# Altium PCB ECSE478 - DAQ Device.PcbDoc (part 1 of 4) (continued)
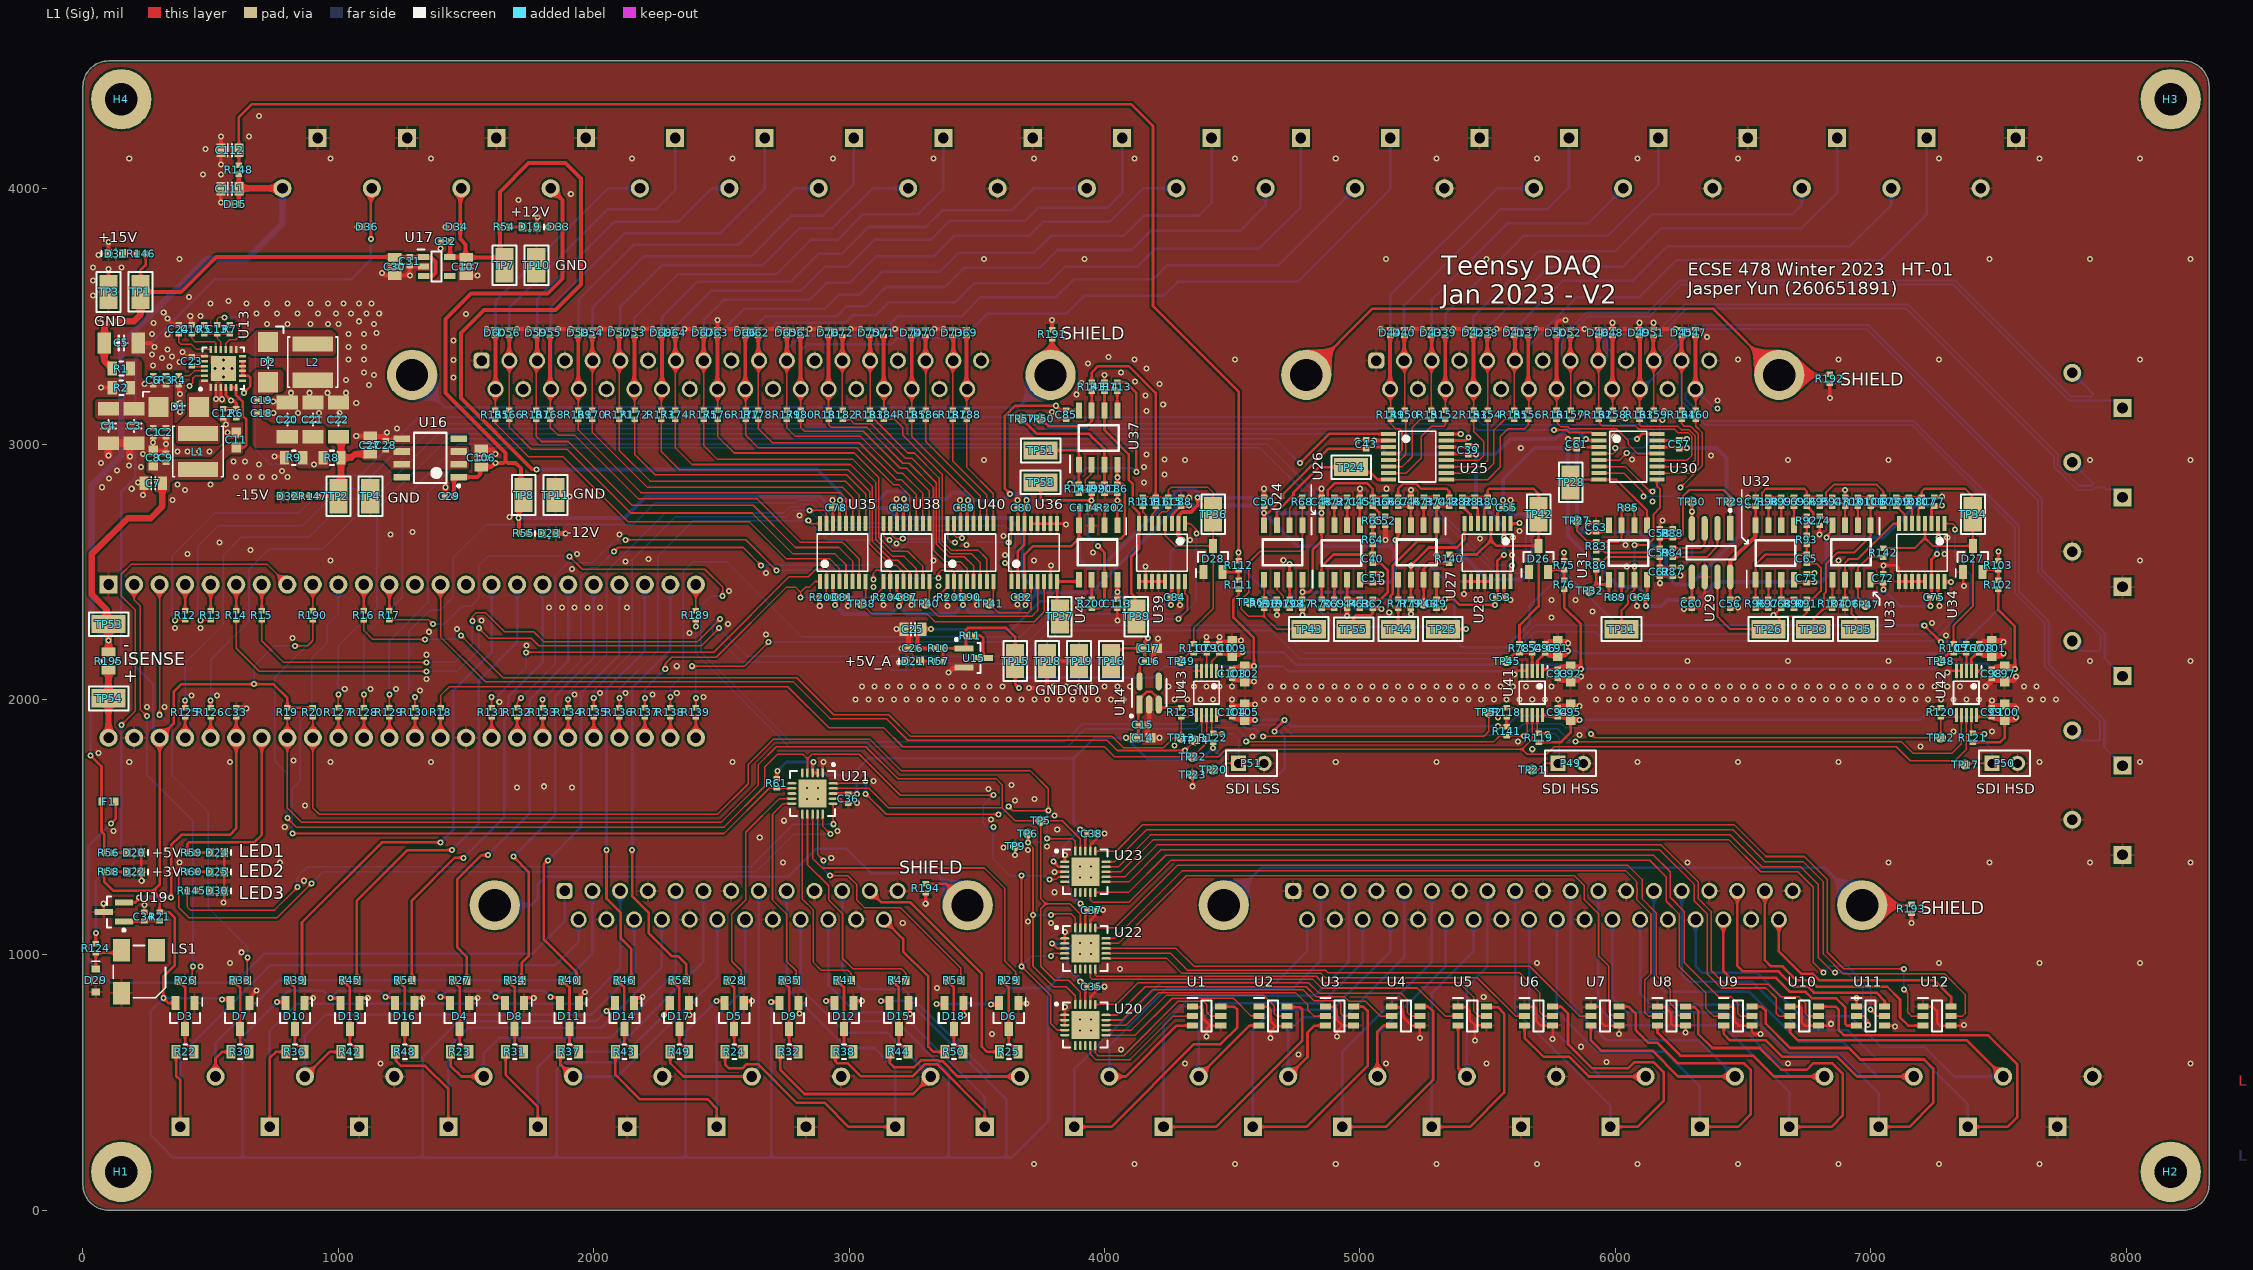
[diagram p0: L1 (Sig) view]
## Components (designator, comment, footprint, x,y, rotation, side; value= is the part's Value field where it differs from the comment)
C1 "100nF" "0402 CAP" 275,3045.87 r90 top value=0402
C2 "100nF" "0402 CAP" 325,3045.87 r90 top value=0402
C3 "22uF" "1206 CAP" 200,3070.87 r90 top value=1206
C4 "22uF" "1206 CAP" 100,3070.87 r90 top value=1206
C5 "22uF" "1206 CAP" 150,3395.87 r180 top value=1206
C6 "13pF" "0402 CAP" 275,3250 r90 top value=0402
C7 "47uF" "0805 CAP" 275,2845.87 r0 top value=0805
C8 "10uF" "0603 CAP SAMSUNG CL10C" 275,2945.87 r270 top value=0603
C9 "100nF" "0402 CAP" 325,2945.87 r270 top value=0402
C10 "220nF" "0402 CAP" 425,3450 r90 top value=0402
C11 "10uF" "0603 CAP SAMSUNG CL10C" 600,3016.34 r270 top value=0603
C12 "100nF" "0402 CAP" 550,3120.87 r90 top value=0402
C13 "13pF" "0402 CAP" 525,3450 r270 top value=0402
C14 "10uF" "0603 CAP SAMSUNG CL10C" 4150,1850 r180 top value=0603
C15 "100nF" "0402 CAP" 4150,1900 r180 top value=0402
C16 "100nF" "0402 CAP" 4175,2150 r180 top value=0402
C17 "10uF" "0603 CAP SAMSUNG CL10C" 4175,2200 r180 top value=0603
C18 "100nF" "0402 CAP" 700,3120.87 r180 top value=0402
C19 "100nF" "0402 CAP" 700,3170.87 r180 top value=0402
C20 "22uF" "1206 CAP" 800,3095.87 r270 top value=1206
C21 "22uF" "1206 CAP" 900,3095.87 r270 top value=1206
C22 "22uF" "1206 CAP" 1000,3095.87 r270 top value=1206
C23 "10nF" "0402 CAP" 425,3325 r270 top value=0402
C24 "4.7nF" "0402 CAP" 375,3450 r270 top value=0402
C25 "10uF" "0805 CAP" 3250,2275 r0 top value=0805
C26 "100nF" "0402 CAP" 3250,2200 r0 top value=0402
C27 "10uF" "0805 CAP" 1125,2995.87 r270 top value=0805
C28 "100nF" "0402 CAP" 1185,2995.87 r270 top value=0402
C29 "100nF" "0402 CAP" 1435,2795.87 r0 top value=0402
C30 "10uF" "0805 CAP" 1220,3695 r90 top value=0805
C31 "100nF" "0402 CAP" 1280,3715 r90 top value=0402
C32 "100nF" "0402 CAP" 1420,3795 r0 top value=0402
C33 "100nF" "0402 CAP" 600,1950 r270 top value=0402
C34 "100nF" "0402 CAP" 240,1150 r270 top value=0402
C35 "100nF" "0402 CAP" 3950,875 r180 top value=0402
C36 "100nF" "0402 CAP" 2996.65,1611.65 r90 top value=0402
C37 "100nF" "0402 CAP" 3950,1175 r180 top value=0402
C38 "100nF" "0402 CAP" 3950,1475 r180 top value=0402
C39 "100nF" "0402 CAP" 5425,2975 r270 top value=0402
C40 "1nF" "0402 CAP" 5050,2550 r270 top value=0402
C41 "1nF" "0402 CAP" 5050,2775 r270 top value=0402
C42 "1nF" "0402 CAP" 5350,2775 r90 top value=0402
C43 "100nF" "0402 CAP" 5025,3000 r270 top value=0402
C44 "100pF" "0402 CAP" 4950,2375 r90 top value=0402
C45 "100pF" "0402 CAP" 5000,2775 r270 top value=0402
C46 "100pF" "0402 CAP" 5200,2775 r270 top value=0402
C47 "100nF" "0402 CAP" 4775,2375 r90 top value=0402
C48 "100nF" "0402 CAP" 4850,2775 r270 top value=0402
C49 "100nF" "0402 CAP" 5300,2375 r90 top value=0402
C50 "100nF" "0402 CAP" 4625,2775 r90 top value=0402
C51 "100nF" "0402 CAP" 5050,2475 r90 top value=0402
C52 "100nF" "0402 CAP" 5100,2700 r270 top value=0402
C53 "100nF" "0402 CAP" 5550,2400 r180 top value=0402
C54 "100nF" "0402 CAP" 5675,2200 r270 top value=0402
C55 "100nF" "0402 CAP" 5575,2750 r180 top value=0402
C56 "100nF" "0402 CAP" 6450,2375 r90 top value=0402
C57 "100nF" "0402 CAP" 6250,3000 r270 top value=0402
C58 "100pF" "0402 CAP" 6175,2650 r90 top value=0402
C59 "1nF" "0402 CAP" 6175,2575 r90 top value=0402
C60 "100nF" "0402 CAP" 6300,2375 r90 top value=0402
C61 "100nF" "0402 CAP" 5850,3000 r270 top value=0402
C62 "100pF" "0402 CAP" 6175,2500 r90 top value=0402
C63 "100nF" "0402 CAP" 5925,2675 r270 top value=0402
C64 "100nF" "0402 CAP" 6100,2400 r180 top value=0402
C65 "1nF" "0402 CAP" 6750,2550 r270 top value=0402
C66 "1nF" "0402 CAP" 6750,2775 r270 top value=0402
C67 "1nF" "0402 CAP" 7050,2775 r90 top value=0402
C68 "100pF" "0402 CAP" 6650,2375 r90 top value=0402
C69 "100pF" "0402 CAP" 6700,2775 r270 top value=0402
C70 "100pF" "0402 CAP" 6900,2775 r270 top value=0402
C71 "100nF" "0402 CAP" 6550,2775 r270 top value=0402
C72 "100nF" "0402 CAP" 7050,2475 r270 top value=0402
C73 "100nF" "0402 CAP" 6750,2475 r90 top value=0402
C74 "100nF" "0402 CAP" 6800,2700 r270 top value=0402
C75 "100nF" "0402 CAP" 7250,2400 r180 top value=0402
C76 "100nF" "0402 CAP" 7375,2200 r270 top value=0402
C77 "100nF" "0402 CAP" 7250,2775 r270 top value=0402
C78 "100nF" "0402 CAP" 2950,2750 r0 top value=0402
C79 "100nF" "0402 CAP" 4400,2200 r270 top value=0402
C80 "100nF" "0402 CAP" 3675,2750 r0 top value=0402
C81 "100nF" "0402 CAP" 2975,2400 r180 top value=0402
C82 "100nF" "0402 CAP" 3675,2400 r0 top value=0402
C83 "100nF" "0402 CAP" 3200,2750 r0 top value=0402
C84 "100nF" "0402 CAP" 4275,2400 r180 top value=0402
C85 "100nF" "0402 CAP" 3850,3115 r90 top value=0402
C86 "100nF" "0402 CAP" 4050,2825 r270 top value=0402
C87 "100nF" "0402 CAP" 3225,2400 r180 top value=0402
C88 "100nF" "0402 CAP" 4300,2775 r270 top value=0402
C89 "100nF" "0402 CAP" 3450,2750 r0 top value=0402
C90 "100nF" "0402 CAP" 3475,2400 r180 top value=0402
C91 "10uF" "0603 CAP SAMSUNG CL10C" 5775,2200 r270 top value=0603
C92 "10uF" "0603 CAP SAMSUNG CL10C" 5825,2100 r90 top value=0603
C93 "100nF" "0402 CAP" 5775,2100 r90 top value=0402
C94 "100nF" "0402 CAP" 5775,1950 r270 top value=0402
C95 "10uF" "0603 CAP SAMSUNG CL10C" 5825,1950 r270 top value=0603
C96 "100nF" "0402 CAP" 5725,2200 r270 top value=0402
C97 "10uF" "0603 CAP SAMSUNG CL10C" 7525,2100 r90 top value=0603
C98 "100nF" "0402 CAP" 7475,2100 r90 top value=0402
C99 "100nF" "0402 CAP" 7475,1950 r270 top value=0402
C100 "10uF" "0603 CAP SAMSUNG CL10C" 7525,1950 r270 top value=0603
C101 "10uF" "0603 CAP SAMSUNG CL10C" 7475,2200 r270 top value=0603
C102 "10uF" "0603 CAP SAMSUNG CL10C" 4550,2100 r90 top value=0603
C103 "100nF" "0402 CAP" 4500,2100 r90 top value=0402
C104 "100nF" "0402 CAP" 4500,1950 r270 top value=0402
C105 "10uF" "0603 CAP SAMSUNG CL10C" 4550,1950 r270 top value=0603
C106 "10uF" "0805 CAP" 1560,2945.87 r270 top value=0805
C107 "10uF" "0805 CAP" 1500,3695 r90 top value=0805
C108 "100nF" "0402 CAP" 7425,2200 r270 top value=0402
C109 "10uF" "0603 CAP SAMSUNG CL10C" 4500,2200 r270 top value=0603
C110 "100nF" "0402 CAP" 4450,2200 r270 top value=0402
C111 "47uF" "0805 CAP" 575,4000 r0 top value=0805
C112 "47uF" "0805 CAP" 575,4150 r0 top value=0805
C113 "100nF" "0402 CAP" 4050,2375 r90 top value=0402
C114 "100nF" "0402 CAP" 3920,2750 r0 top value=0402
D1 "CDBA140-HF" "Diode SMA" 375,3145.87 r0 top
D2 "CDBA140-HF" "Diode SMA" 725,3320.87 r270 top
D3 "BAT54S" SOT23-3 400,760 r270 top
D4 "BAT54S" SOT23-3 1475,760 r270 top
D5 "BAT54S" SOT23-3 2550,760 r270 top
D6 "BAT54S" SOT23-3 3625,760 r270 top
D7 "BAT54S" SOT23-3 615,760 r270 top
D8 "BAT54S" SOT23-3 1690,760 r270 top
D9 "BAT54S" SOT23-3 2765,760 r270 top
D10 "BAT54S" SOT23-3 830,760 r270 top
D11 "BAT54S" SOT23-3 1905,760 r270 top
D12 "BAT54S" SOT23-3 2980,760 r270 top
D13 "BAT54S" SOT23-3 1045,760 r270 top
D14 "BAT54S" SOT23-3 2120,760 r270 top
D15 "BAT54S" SOT23-3 3195,760 r270 top
D16 "BAT54S" SOT23-3 1260,760 r270 top
D17 "BAT54S" SOT23-3 2335,760 r270 top
D18 "BAT54S" SOT23-3 3410,760 r270 top
D19 "LED Green" "0603 LED" 1750,3850 r0 top
D20 "LED Green" "0603 LED" 200,1400 r0 top
D21 "LED Green" "0603 LED" 3250,2150 r180 top
D22 "LED Green" "0603 LED" 200,1325 r0 top
D23 "LED Green" "0603 LED" 1825,2650 r180 top
D24 "LED Red" "0603 LED" 525,1400 r0 top
D25 "LED Green" "0603 LED" 525,1325 r0 top
D26 "BAT54S" SOT23-3 5700,2550 r90 top
D27 "BAT54S" SOT23-3 7400,2550 r90 top
D28 "BAT54S" SOT23-3 4425,2550 r90 top
D29 "B0540WSHE3-TP" "Diode SOD323-F" 50,900 r90 top
D30 "LED Green" "0603 LED" 525,1250 r0 top
D31 "LED Green" "0603 LED" 127.56,3745.87 r180 top
D32 "LED Green" "0603 LED" 802.56,2795.87 r0 top
D33 "D12V0L1B2LP-7B" DFN1006-2 1850,3850 r0 top
D34 "D12V0L1B2LP-7B" DFN1006-2 1450,3850 r0 top
D35 "D12V0L1B2LP-7B" DFN1006-2 582.44,3940 r0 top
D36 "D12V0L1B2LP-7B" DFN1006-2 1100,3850 r0 top
D37 "D12V0L1B2LP-7B" DFN1006-2 5659.02,3450 r270 top
D38 "D12V0L1B2LP-7B" DFN1006-2 5499.02,3450 r270 top
D39 "D12V0L1B2LP-7B" DFN1006-2 5334.02,3450 r270 top
D40 "D12V0L1B2LP-7B" DFN1006-2 5174.02,3450 r270 top
D41 "D12V0L1B2LP-7B" DFN1006-2 5604.02,3450 r270 top
D42 "D12V0L1B2LP-7B" DFN1006-2 5444.02,3450 r270 top
D43 "D12V0L1B2LP-7B" DFN1006-2 5279.02,3450 r270 top
D44 "D12V0L1B2LP-7B" DFN1006-2 5119.02,3450 r270 top
D45 "D12V0L1B2LP-7B" DFN1006-2 6260.98,3450 r270 top
D46 "D12V0L1B2LP-7B" DFN1006-2 5934.02,3450 r270 top
D47 "D12V0L1B2LP-7B" DFN1006-2 6314.02,3450 r270 top
D48 "D12V0L1B2LP-7B" DFN1006-2 5989.02,3450 r270 top
D49 "D12V0L1B2LP-7B" DFN1006-2 6094.02,3450 r270 top
D50 "D12V0L1B2LP-7B" DFN1006-2 5769.02,3450 r270 top
D51 "D12V0L1B2LP-7B" DFN1006-2 6149.02,3450 r270 top
D52 "D12V0L1B2LP-7B" DFN1006-2 5824.02,3450 r270 top
D53 "D12V0L1B2LP-7B" DFN1006-2 2159.02,3450 r270 top
D54 "D12V0L1B2LP-7B" DFN1006-2 1994.02,3450 r270 top
D55 "D12V0L1B2LP-7B" DFN1006-2 1829.02,3450 r270 top
D56 "D12V0L1B2LP-7B" DFN1006-2 1669.02,3450 r270 top
D57 "D12V0L1B2LP-7B" DFN1006-2 2099.02,3450 r270 top
D58 "D12V0L1B2LP-7B" DFN1006-2 1939.02,3450 r270 top
D59 "D12V0L1B2LP-7B" DFN1006-2 1774.02,3450 r270 top
D60 "D12V0L1B2LP-7B" DFN1006-2 1614.02,3450 r270 top
D61 "D12V0L1B2LP-7B" DFN1006-2 2809.02,3450 r270 top
D62 "D12V0L1B2LP-7B" DFN1006-2 2644.02,3450 r270 top
D63 "D12V0L1B2LP-7B" DFN1006-2 2484.02,3450 r270 top
D64 "D12V0L1B2LP-7B" DFN1006-2 2319.02,3450 r270 top
D65 "D12V0L1B2LP-7B" DFN1006-2 2754.02,3450 r270 top
D66 "D12V0L1B2LP-7B" DFN1006-2 2594.02,3450 r270 top
D67 "D12V0L1B2LP-7B" DFN1006-2 2429.02,3450 r270 top
D68 "D12V0L1B2LP-7B" DFN1006-2 2264.02,3450 r270 top
D69 "D12V0L1B2LP-7B" DFN1006-2 3459.02,3450 r270 top
D70 "D12V0L1B2LP-7B" DFN1006-2 3299.02,3450 r270 top
D71 "D12V0L1B2LP-7B" DFN1006-2 3135,3450 r270 top
D72 "D12V0L1B2LP-7B" DFN1006-2 2974.02,3450 r270 top
D73 "D12V0L1B2LP-7B" DFN1006-2 3404.02,3450 r270 top
D74 "D12V0L1B2LP-7B" DFN1006-2 3244.02,3450 r270 top
D75 "D12V0L1B2LP-7B" DFN1006-2 3079.02,3450 r270 top
D76 "D12V0L1B2LP-7B" DFN1006-2 2919.02,3450 r270 top
F1 "PTS060315V005" "FUSE THERMAL 0603 PTS060315V005" 100,1600 r180 top
H1 "M3" "HOLE M3" 150,150 r0 top
H2 "M3" "HOLE M3" 8175,150 r0 top
H3 "M3" "HOLE M3" 8175,4350 r0 top
H4 "M3" "HOLE M3" 150,4350 r0 top
J1 "LD37S24A4GV00LF" "Connector DB37 Vertical LD37S24A4GV00LF" 2538.94,3270.91 r270 bottom
J2 "LD25S24A4GV00LF" "Connector DB25 Vertical LD25S24A4GV00LF" 5716.14,3270.91 r270 bottom
J3 "LD37S24A4GV00LF" "Connector DB37 Vertical LD37S24A4GV00LF" 5716.93,1194.09 r270 bottom
J4 "LD25S24A4GV00LF" "Connector DB25 Vertical LD25S24A4GV00LF" 2538.15,1194.09 r270 bottom
L1 "4.7uH" "Inductor BWVS005050403R3M00" 450,2970.87 r0 top value=Value
L2 "4.7uH" "Inductor BWVS005050403R3M00" 900,3320.87 r0 top value=Value
LS1 "SMT-0540-T-9-R" "Buzzer SMT-0540-T-9-R" 150,1017.32 r270 top
P1 "1985195" "Terminal Block 1985195 2-pos 3.5mm pitch" 2250,4100 r0 bottom
P2 "1985195" "Terminal Block 1985195 2-pos 3.5mm pitch" 4000,4100 r0 bottom
P3 "1985195" "Terminal Block 1985195 2-pos 3.5mm pitch" 1550,4100 r0 bottom
P4 "1985195" "Terminal Block 1985195 2-pos 3.5mm pitch" 850,4100 r0 bottom
P5 "1985195" "Terminal Block 1985195 2-pos 3.5mm pitch" 2600,4100 r0 bottom
P6 "1985195" "Terminal Block 1985195 2-pos 3.5mm pitch" 4350,4100 r0 bottom
P7 "1985195" "Terminal Block 1985195 2-pos 3.5mm pitch" 1900,4100 r0 bottom
P8 "1985195" "Terminal Block 1985195 2-pos 3.5mm pitch" 1200,4100 r0 bottom
P9 "1985195" "Terminal Block 1985195 2-pos 3.5mm pitch" 2950,4100 r0 bottom
P10 "1985195" "Terminal Block 1985195 2-pos 3.5mm pitch" 4700,4100 r0 bottom
P11 "1985195" "Terminal Block 1985195 2-pos 3.5mm pitch" 3300,4100 r0 bottom
P12 "1985195" "Terminal Block 1985195 2-pos 3.5mm pitch" 5050,4100 r0 bottom
P13 "1985195" "Terminal Block 1985195 2-pos 3.5mm pitch" 3650,4100 r0 bottom
P14 "1985195" "Terminal Block 1985195 2-pos 3.5mm pitch" 5400,4100 r0 bottom
P15 "1985195" "Terminal Block 1985195 2-pos 3.5mm pitch" 5750,4100 r0 bottom
P16 "1985195" "Terminal Block 1985195 2-pos 3.5mm pitch" 7887.85,3210 r270 bottom
P17 "1985195" "Terminal Block 1985195 2-pos 3.5mm pitch" 6100,4100 r0 bottom
P18 "1985195" "Terminal Block 1985195 2-pos 3.5mm pitch" 7887.85,2860 r270 bottom
P19 "1985195" "Terminal Block 1985195 2-pos 3.5mm pitch" 6450,4100 r0 bottom
P20 "1985195" "Terminal Block 1985195 2-pos 3.5mm pitch" 7887.85,2510 r270 bottom
P21 "1985195" "Terminal Block 1985195 2-pos 3.5mm pitch" 6800,4100 r0 bottom
P22 "1985195" "Terminal Block 1985195 2-pos 3.5mm pitch" 7887.85,2160 r270 bottom
P23 "1985195" "Terminal Block 1985195 2-pos 3.5mm pitch" 7150,4100 r0 bottom
P24 "1985195" "Terminal Block 1985195 2-pos 3.5mm pitch" 7887.85,1810 r270 bottom
P25 "1985195" "Terminal Block 1985195 2-pos 3.5mm pitch" 7500,4100 r0 bottom
P26 "1985195" "Terminal Block 1985195 2-pos 3.5mm pitch" 7887.85,1460 r270 bottom
P27 "1985195" "Terminal Block 1985195 2-pos 3.5mm pitch" 3950,425 r180 bottom
P28 "1985195" "Terminal Block 1985195 2-pos 3.5mm pitch" 6050,425 r180 bottom
P29 "1985195" "Terminal Block 1985195 2-pos 3.5mm pitch" 4300,425 r180 bottom
P30 "1985195" "Terminal Block 1985195 2-pos 3.5mm pitch" 6400,425 r180 bottom
P31 "1985195" "Terminal Block 1985195 2-pos 3.5mm pitch" 4650,425 r180 bottom
P32 "1985195" "Terminal Block 1985195 2-pos 3.5mm pitch" 6750,425 r180 bottom
P33 "1985195" "Terminal Block 1985195 2-pos 3.5mm pitch" 5000,425 r180 bottom
P34 "1985195" "Terminal Block 1985195 2-pos 3.5mm pitch" 7100,425 r180 bottom
P35 "1985195" "Terminal Block 1985195 2-pos 3.5mm pitch" 5350,425 r180 bottom
P36 "1985195" "Terminal Block 1985195 2-pos 3.5mm pitch" 7450,425 r180 bottom
P37 "1985195" "Terminal Block 1985195 2-pos 3.5mm pitch" 5700,425 r180 bottom
P38 "1985195" "Terminal Block 1985195 2-pos 3.5mm pitch" 7800,425 r180 bottom
P39 "1985195" "Terminal Block 1985195 2-pos 3.5mm pitch" 450,425 r180 bottom
P40 "1985195" "Terminal Block 1985195 2-pos 3.5mm pitch" 2550,425 r180 bottom
P41 "1985195" "Terminal Block 1985195 2-pos 3.5mm pitch" 800,425 r180 bottom
P42 "1985195" "Terminal Block 1985195 2-pos 3.5mm pitch" 3250,425 r180 bottom
P43 "1985195" "Terminal Block 1985195 2-pos 3.5mm pitch" 1150,425 r180 bottom
P44 "1985195" "Terminal Block 1985195 2-pos 3.5mm pitch" 2900,425 r180 bottom
P45 "1985195" "Terminal Block 1985195 2-pos 3.5mm pitch" 1500,425 r180 bottom
P46 "1985195" "Terminal Block 1985195 2-pos 3.5mm pitch" 3600,425 r180 bottom
P47 "1985195" "Terminal Block 1985195 2-pos 3.5mm pitch" 1850,425 r180 bottom
P48 "1985195" "Terminal Block 1985195 2-pos 3.5mm pitch" 2200,425 r180 bottom
P49 "Jumper" HDR1X2 5775,1750 r0 top
P50 "Jumper" HDR1X2 7475,1750 r0 top
P51 "Jumper" HDR1X2 4525,1750 r0 top
R1 "15R" "0805 RES" 150,3295.87 r0 top value=0805
R2 "10K0" "0805 RES" 150,3220.87 r0 top value=0805
R3 "536K0" "0402 RES" 325,3250 r90 top value=1%
R4 "47K50" "0402 RES" 375,3250 r270 top value=1%
R5 "47K50" "0402 RES" 475,3450 r270 top value=1%
R6 "100R" "0402 RES" 600,3120.87 r90 top value=1%
R7 "576K00" "0402 RES" 575,3450 r270 top value=1%
R8 "15R" "0805 RES" 975,2945.87 r180 top value=0805
R9 "10K0" "0805 RES" 825,2945.87 r0 top value=0805
R10 "4K22" "0402 RES" 3350,2200 r0 top value=1%
R11 "0R" "0402 RES" 3475,2250 r0 top value=1%
R12 "33R" "0402 RES" 400,2330 r90 top value=1%
R13 "33R" "0402 RES" 500,2330 r90 top value=1%
R14 "33R" "0402 RES" 600,2330 r90 top value=1%
R15 "33R" "0402 RES" 700,2330 r90 top value=1%
R16 "33R" "0402 RES" 1100,2330 r90 top value=1%
R17 "33R" "0402 RES" 1200,2330 r90 top value=1%
R18 "0R" "0402 RES" 1400,1950 r90 top value=1%
R19 "2K55" "0402 RES" 800,1950 r270 top value=0402
R20 "2K55" "0402 RES" 900,1950 r270 top value=0402
R21 "220R" "0402 RES" 300,1150 r270 top value=1%
R22 "470R" "0805 RES" 400,620 r0 top
R23 "470R" "0805 RES" 1475,620 r0 top
R24 "470R" "0805 RES" 2550,620 r0 top
R25 "470R" "0805 RES" 3625,620 r0 top
R26 "10R" "0603 RES" 400,900 r180 top
R27 "10R" "0603 RES" 1475,900 r180 top
R28 "10R" "0603 RES" 2550,900 r180 top
R29 "10R" "0603 RES" 3625,900 r180 top
R30 "470R" "0805 RES" 615,620 r0 top
R31 "470R" "0805 RES" 1690,620 r0 top
R32 "470R" "0805 RES" 2765,620 r0 top
R33 "10R" "0603 RES" 615,900 r180 top
R34 "10R" "0603 RES" 1690,900 r180 top
R35 "10R" "0603 RES" 2765,900 r180 top
R36 "470R" "0805 RES" 830,620 r0 top
R37 "470R" "0805 RES" 1905,620 r0 top
R38 "470R" "0805 RES" 2980,620 r0 top
R39 "10R" "0603 RES" 830,900 r180 top
R40 "10R" "0603 RES" 1905,900 r180 top
R41 "10R" "0603 RES" 2980,900 r180 top
R42 "470R" "0805 RES" 1045,620 r0 top
R43 "470R" "0805 RES" 2120,620 r0 top
R44 "470R" "0805 RES" 3195,620 r0 top
R45 "10R" "0603 RES" 1045,900 r180 top
R46 "10R" "0603 RES" 2120,900 r180 top
R47 "10R" "0603 RES" 3195,900 r180 top
R48 "470R" "0805 RES" 1260,620 r0 top
R49 "470R" "0805 RES" 2335,620 r0 top
R50 "470R" "0805 RES" 3410,620 r0 top
R51 "10R" "0603 RES" 1260,900 r180 top
R52 "10R" "0603 RES" 2335,900 r180 top
R53 "10R" "0603 RES" 3410,900 r180 top
R54 "10K0" "0402 RES" 1650,3850 r180 top value=1%
R55 "10K0" "0402 RES" 1725,2650 r180 top value=1%
R56 "4K70" "0402 RES" 100,1400 r180 top value=1%
R57 "4K70" "0402 RES" 3350,2150 r0 top value=1%
R58 "1K00" "0402 RES" 100,1325 r180 top value=1%
R59 "1K00" "0402 RES" 425,1400 r180 top value=1%
R60 "1K00" "0402 RES" 425,1325 r180 top value=1%
R61 "10K0" "0402 RES" 2716.65,1671.65 r270 top value=1%
R62 "1K69" "0402 RES" 5050,2375 r90 top value=1%
R63 "63K40" "0402 RES" 5000,2375 r90 top value=1%
R64 "1K96" "0402 RES" 5050,2625 r90 top value=1%
R65 "48K70" "0402 RES" 5050,2700 r90 top value=1%
R66 "3K16" "0402 RES" 5100,2775 r270 top value=1%
R67 "24K30" "0402 RES" 5150,2775 r270 top value=1%
R68 "2K20" "0402 RES" 4775,2775 r270 top value=1%
R69 "0R" "0402 RES" 4900,2375 r270 top value=1%
R70 "0R" "0402 RES" 4850,2375 r90 top value=1%
R71 "0R" "0402 RES" 4950,2775 r90 top value=1%
R72 "0R" "0402 RES" 4900,2775 r270 top value=1%
R73 "0R" "0402 RES" 5250,2775 r90 top value=1%
R74 "0R" "0402 RES" 5300,2775 r270 top value=1%
R75 "0R" "0402 RES" 5800,2525 r270 top value=1%
R76 "0R" "0402 RES" 5800,2450 r90 top value=1%
R77 "4K53" "0402 RES" 5150,2375 r270 top value=0.1%
R78 "0R" "0402 RES" 5625,2200 r90 top value=1%
R79 "4K99" "0402 RES" 5200,2375 r90 top value=0.1%
R80 "45K30" "0402 RES" 5500,2775 r270 top value=1%
R81 "243K00" "0402 RES" 5450,2775 r270 top value=1%
R82 "499K00" "0402 RES" 5400,2775 r270 top value=1%
R83 "0R" "0402 RES" 5925,2600 r90 top value=1%
R84 "1K00" "0402 RES" 6225,2575 r270 top value=1%
R85 "2K20" "0402 RES" 6050,2750 r0 top value=1%
R86 "0R" "0402 RES" 5925,2525 r270 top value=1%
R87 "47K5" "0402 RES" 6225,2500 r90 top value=1%
R88 "47K5" "0402 RES" 6225,2650 r270 top value=1%
R89 "2K20" "0402 RES" 6000,2400 r0 top value=1%
R90 "63K40" "0402 RES" 6700,2375 r90 top value=1%
R91 "1K69" "0402 RES" 6750,2375 r90 top value=1%
R92 "48K70" "0402 RES" 6750,2700 r90 top value=1%
R93 "1K96" "0402 RES" 6750,2625 r90 top value=1%
R94 "24K30" "0402 RES" 6850,2775 r90 top value=1%
R95 "3K16" "0402 RES" 6800,2775 r270 top value=1%
R96 "0R" "0402 RES" 6550,2375 r90 top value=1%
R97 "0R" "0402 RES" 6600,2375 r270 top value=1%
R98 "0R" "0402 RES" 6600,2775 r270 top value=1%
R99 "0R" "0402 RES" 6650,2775 r90 top value=1%
R100 "0R" "0402 RES" 7000,2775 r270 top value=1%
R101 "0R" "0402 RES" 6950,2775 r90 top value=1%
R102 "0R" "0402 RES" 7500,2450 r90 top value=1%
R103 "0R" "0402 RES" 7500,2525 r270 top value=1%
R104 "4K53" "0402 RES" 6850,2375 r270 top value=0.1%
R105 "0R" "0402 RES" 7325,2200 r90 top value=1%
R106 "4K99" "0402 RES" 6900,2375 r90 top value=0.1%
R107 "45K30" "0402 RES" 7200,2775 r270 top value=1%
R108 "243K00" "0402 RES" 7150,2775 r270 top value=1%
R109 "499K00" "0402 RES" 7100,2775 r270 top value=1%
R110 "0R" "0402 RES" 4350,2200 r90 top value=1%
R111 "0R" "0402 RES" 4525,2450 r90 top value=1%
R112 "0R" "0402 RES" 4525,2525 r270 top value=1%
R113 "4K53" "0402 RES" 4050,3225 r90 top value=0.1%
R114 "4K99" "0402 RES" 4000,3225 r270 top value=0.1%
R115 "45K30" "0402 RES" 4250,2775 r270 top value=1%